# Altium PCB PCBV2.PcbDoc (part 2 of 2) (continued)
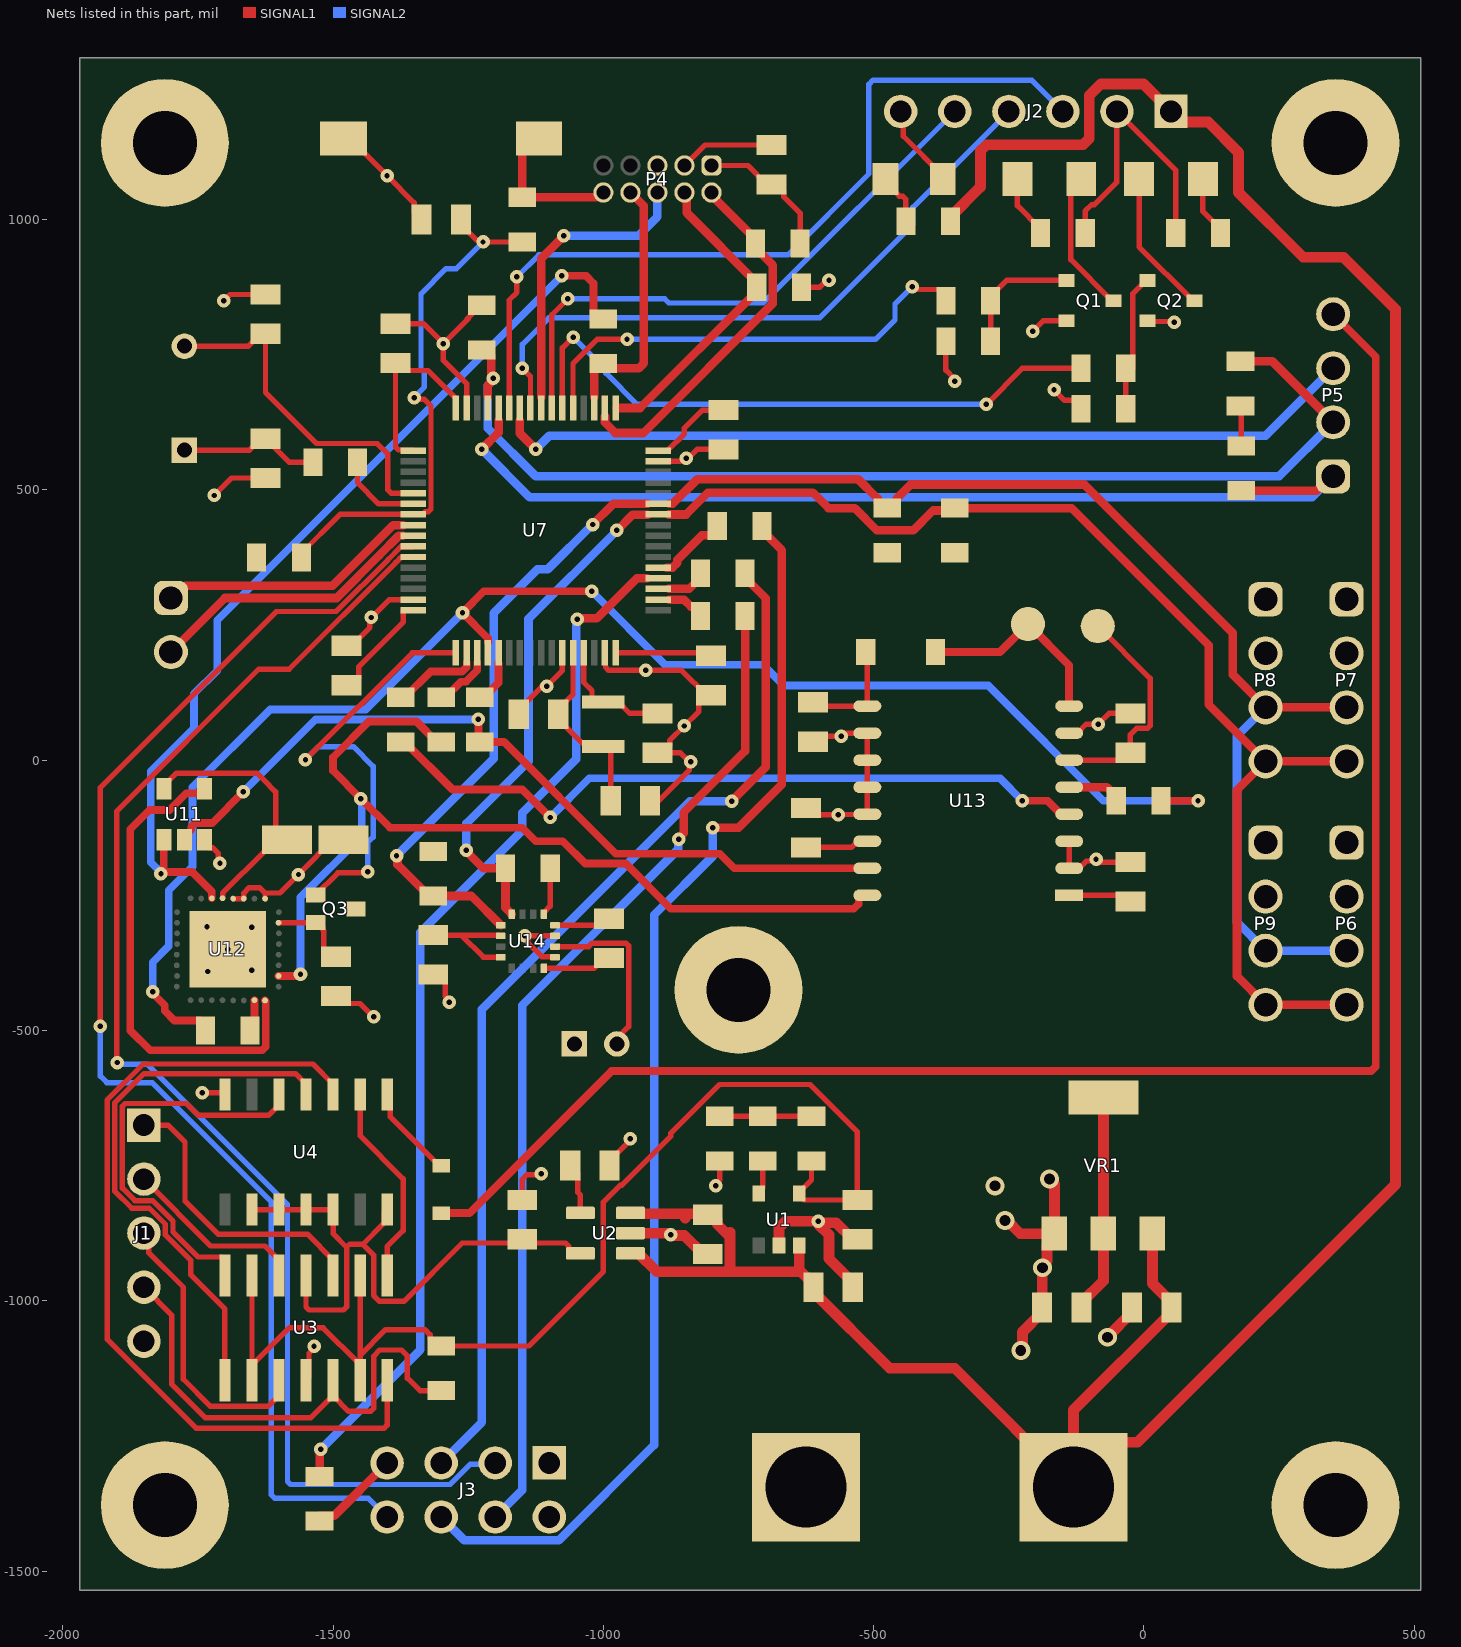
[diagram p2: the nets of this part, all layers, seen from the top]
## Nets (pads, with @x,y where several pads share a name; then routed paths per layer and width w, separated by ;. In a path a pad name is that pad's centre, name@x,y a point inside that pad or via, vN(x,y) a via of type N, cw(c..) or ccw(c..) an arc to the next point about the centre after c; other vN are vias at no path point)
+3V3: C7.1 C8.1 C9.1 C10.1 C11.1 C12.1 C13.1 C15.1 C20.1 C23.2 C24.2 J2.2 J3.2 L1.1 L2.1 P4.1 P6.1 P7.1 P8.1 P9.1 Q3.3 R6.2 R7.2 R12.2 R14.1 R15.1 R22.2 R29.1 R30.1 R31.1 R32.1 U7.1 U7.16 U7.28 U7.32 U7.48 U7.64 U11.5 U12.5 U13.6 U14.2 U14.4 U14.13 VR1.2 VR1.4 | length 3722.4
  SIGNAL1 w10: U11.5@-1812.4,-52.76 -1812.4,-46.85 -1789.62,-24.07 -1687.43,-24.07 -1687.29,-24.2 -1640.71,-24.2 -1628.69,-36.22 -1606.27,-58.64 -1606.27,-155.39 -1599.82,-161.85 -1606.63,-168.66 -1627.26,-168.66 -1704.41,-245.81 -1704.41,-255.39 U12.5@-1704.53,-255.51 ; C8.1@-1475,138.58 -1466.14,138.58 -1452.44,152.28 -1452.44,173.04 -1369.88,255.6 -1369.88,276.36 -1368.88,277.36 U7.16@-1351.38,277.36 ; U7.1@-1351.38,572.64 -1352.38,573.64 -1378.67,573.64 -1384.52,579.5 C10.1@-1384.52,734.45 -1375.67,734.45 -1361.96,720.75 -1324.51,720.75 -1272.64,668.88 U7.64@-1272.64,651.38 ; C23.2@-1314.69,-323.58 -1262.95,-323.58 ; U14.4@-1189.88,-364.53 -1222.01,-364.53 -1262.95,-323.58 ; U14.2@-1189.88,-325.16 -1192.83,-325.16 -1194.41,-323.58 -1262.95,-323.58 ; U14.13@-1110.16,-284.8 -1110.16,-281.85 -1098.35,-270.04 R29.1@-1098.35,-199.69 ; U7.28@-1056.1,198.62 -1056.1,121.34 -1083.58,93.86 C12.1@-1083.58,85 -1083.58,76.14 -1039.25,31.81 -1006.81,31.81 L1.1@-1000,25 -993.23,25 -986.42,18.19 C13.1@-986.42,-75 ; U7.32@-977.36,181.12 U7.32@-977.36,198.62 -806.35,198.62 C11.1@-800.78,193.06 ; U7.48@-898.62,572.64 -881.12,572.64 -850.11,603.65 -850.11,614.22 -816.72,647.6 C9.1@-777.54,647.6 ; P4.1@-800,1100 -732.79,1100 -697.87,1065.09 C15.1@-689.02,1065.09 -680.16,1065.09 -666.46,1051.39 -666.46,1042.53 -636.08,1012.15 R12.2@-636.08,955.75 ; U13.6@-138.37,0 -38.58,0 C24.2@-25,13.58 -25,47.28 -13.57,58.72 6.29,58.72 11.56,63.99 11.56,151.19 L2.1@-85.41,248.15 ; R7.2@-108.66,975 -108.66,982.87 -108.66,1015.59 -96.57,1027.68 -91.48,1027.68 -50,1069.16 J2.2@-50,1200 58.66,1091.34 R6.2@58.66,975 ; R15.1@178.5,655.08 180,653.59 R14.1@180,581.34
  SIGNAL1 w20: C7.1@-115.61,-1012.36 -115.61,-1003.5 -75,-962.9 VR1.2@-75,-889.96 ; VR1.2@-75,-875.98 VR1.4@-75,-624.02
+3V3_A: C14.1 L1.2 U7.29 | length 223.1
  SIGNAL1 w10: U7.29@-1036.42,198.62 -1036.42,144.09 -1020.95,128.63 -1020.95,114.49 -1014.14,107.68 L1.2@-1000,107.68 -972.44,107.68 -951.18,86.42 C14.1@-900,86.42
+3V3_REF: C1.1 R2.2 R4.2 U1.4 U3.2 U3.6 U3.9 U3.13 | length 2218.5
  SIGNAL1 w10: U3.9@-1650,-1147 U3.9@-1650,-1118.5 ; U3.6@-1650,-953 U3.9@-1650,-1118.5 ; U3.13@-1453.39,-1115.11 -1518.5,-1050 -1581.5,-1050 U3.9@-1650,-1118.5 ; U3.13@-1450,-1147 -1450,-1128.5 -1450,-1118.5 -1450,-1111.72 -1450,-1100.85 ; U3.2@-1450,-953 -1450,-1100.85 ; U1.4@-637.6,-804.72 -628.74,-813.58 C1.1@-530,-813.58 -530,-687.63 -617.63,-600 -785.15,-600 -875.65,-690.5 -875.65,-696.06 -966.15,-786.56 -968.93,-786.56 -1000,-817.63 -1000,-945.67 -1137.99,-1083.66 -1307.87,-1083.66 -1320.59,-1070.95 -1320.59,-1063.07 -1330.08,-1053.59 -1402.73,-1053.59 -1450,-1100.85 ; U1.4@-637.6,-801.77 -637.6,-798.82 -615,-776.22 R2.2@-615,-741.34
+5: C5.1 U2.5 U3.4 U4.9 U4.10 U4.11 U4.12 U4.14 | length 1140.1
  SIGNAL1 w10: U4.9@-1650,-831.5 U4.10@-1600,-831.5 U4.11@-1550,-831.5 U4.12@-1500,-831.5 -1500,-876.02 -1475,-901.02 ; U3.4@-1550,-953 -1550,-1011.27 -1544.14,-1017.13 -1480.86,-1017.13 -1475,-1011.27 -1475,-901.02 ; -1445.09,-895.68 -1405.5,-856.1 -1405.5,-837 U4.14@-1400,-831.5 ; U2.5@-1042.52,-912.4 -1057.68,-912.4 -1064.29,-905.79 -1064.29,-899.01 -1070.15,-893.15 -1261.04,-893.15 -1368.89,-1001 -1414.23,-1001 -1425,-990.23 -1425,-915.77 -1445.61,-895.16 -1450.55,-895.16 -1469.14,-895.16 -1475,-901.02
+12: C2.1 C3.1 C6.1 J2.1 P1.1 R5.2 U1.3 U2.1 U2.3 VR1.3 | length 5592.7
  SIGNAL1 w20: U2.3@-950,-837.6 -948.42,-839.18 -848.38,-839.18 ; U2.1@-948.75,-911.16 U2.1@-950,-912.4 -934.84,-912.4 -900.95,-946.3 -773.69,-946.3 ; -848.38,-847.41 -848.38,-839.18 ; -769.92,-877.89 -789.49,-858.32 -789.49,-849.46 -798.19,-840.76 C2.1@-807.05,-840.76 -808.63,-839.18 -848.38,-839.18 ; -765.49,-873.46 -765.49,-938.1 -773.69,-946.3 ; -637.6,-946.3 U1.3@-637.6,-898.23 ; R5.2@-357.7,997.09 -357.7,1004.96 -302.66,1060 -302.66,1126.7 -290.95,1138.42 -112.96,1138.42 -101.24,1150.13 -101.24,1229.51 -79.76,1251 -1,1251 J2.1@50,1200 ; VR1.3@15.55,-889.96 VR1.3@15.55,-882.09 ; VR1.3@15.55,-875.98 15.55,-968.17 50.88,-1003.5 C6.1@50.88,-1012.36 50.88,-1021.22 -130.12,-1202.22 P1.1@-130.12,-1344.88 ; J2.1@50,1199.92 69.54,1180.38 118.83,1180.38 175,1124.21 175,1050 294.7,930.3 368.92,930.3 465.29,833.92 465.29,-784.71 -11.83,-1261.83 -47.07,-1261.83 P1.1@-130.12,-1344.88 ; -773.69,-946.3 -765.49,-946.3 -645.8,-946.3 -634.29,-946.3 -623.15,-957.44 -620.12,-957.44 -611.42,-966.14 -611.42,-983.86 -470.28,-1125 -350,-1125 P1.1@-130.12,-1344.88
CE_RF: J3.3 U7.11 | length 2548
  SIGNAL1 w10: v1(-1899.18,-559.34) -1900,-558.52 -1900,-94.16 -1637.71,168.13 -1581.35,168.13 -1383.88,365.6 -1383.88,365.83 -1376.31,373.4 -1376.08,373.4 -1374.69,374.79 -1352.38,374.79 U7.11@-1351.38,375.79
  SIGNAL2 w10: v1(-1899.18,-559.34) -1896.31,-562.21 -1844.04,-562.21 -1584.38,-821.87 -1584.38,-1334.05 -1578.52,-1339.91 -1283.47,-1339.91 -1245.91,-1302.34 -1202.34,-1302.34 J3.3@-1200,-1300
CELL_1: J1.1 U3.3 | length 545.8
  SIGNAL1 w10: J1.1@-1850,-675 -1805.31,-675 -1773.85,-706.47 -1773.85,-815.61 -1712.54,-876.92 -1547.58,-876.92 -1500,-924.5 U3.3@-1500,-953
CELL_2: J1.2 U3.5 | length 340.4
  SIGNAL1 w10: J1.2@-1850,-775 -1726.35,-898.66 -1625.85,-898.66 -1600,-924.5 U3.5@-1600,-953
CELL_3: J1.3 U3.10 | length 534.7
  SIGNAL1 w10: J1.3@-1850,-875 -1841.02,-883.98 -1841.02,-910.94 -1777.16,-974.8 -1777.16,-1145.13 -1727.29,-1195 -1619.5,-1195 -1600,-1175.5 U3.10@-1600,-1147
CELL_4: J1.4 R4.1 U3.12 | length 941
  SIGNAL1 w10: J1.4@-1850,-975 -1798.07,-1026.93 -1798.07,-1154.87 -1736.56,-1216.38 -1540.88,-1216.38 U3.12@-1500,-1175.5 ; U3.12@-1500,-1147 U3.12@-1500,-1175.5 ; R4.1@-1300,-1166.34 -1339.27,-1166.34 -1362.52,-1143.09 -1362.52,-1102.04 -1373.42,-1091.15 -1413.73,-1091.15 -1424.72,-1102.14 -1424.72,-1198.58 -1430.58,-1204.44 -1471.06,-1204.44 U3.12@-1500,-1175.5
GND: C1.2 C2.2 C3.2 C4.2 C5.2 C6.2 C7.2 C8.2 C9.2 C10.2 C11.2 C12.2 C13.2 C14.2 C15.2 C16.1 C17.1 C18.2 C19.1 C20.2 C21.1 C22.1 C23.1 C24.1 C26.1 C27.1 DS1.2 J1.5 J2.6 J3.1 P2.1 P4.3 P4.5 P6.2 P7.2 P8.2 P9.2 pad.1 Q1.2 Q2.2 R3.2 R10.1 R11.1 R13.1 R21.2 SW1.1 U1.2 U2.2 U3.11 U4.7 U7.15 U7.27 U7.31 U7.47 U7.63 U11.3 U12.1 U12.3 U12.4 U12.33 U13.2 U13.3 U13.7 U13.10 U13.11 U13.12 U13.13 U14.9 U14.11 VR1.1 | length 5068.7
  SIGNAL1 w10: v1(-1741.85,-615.46) -1703.04,-615.46 U4.7@-1700,-618.5 ; U11.3@-1737.6,-147.24 -1737.6,-153.15 -1728.82,-161.93 -1722.91,-161.93 -1712.1,-172.75 -1712.1,-187.82 v1(-1709.23,-190.69) ; v1(-1719.88,489.57) -1687.61,521.85 C17.1@-1625,521.85 ; v1(-1702.17,849.81) -1690.55,861.42 C16.1@-1625,861.42 ; U12.4@-1684.84,-256.1 U12.3@-1665.16,-256.1 -1665.04,-255.98 -1665.04,-245.81 -1655.11,-235.88 -1635.84,-235.88 -1625.91,-245.81 ; U12.1@-1625.79,-256.1 -1625.91,-255.98 -1625.91,-245.81 ; U3.11@-1550,-1147 -1544.5,-1141.5 -1544.5,-1097.13 -1535.24,-1087.87 v1(-1535.24,-1083.81) ; C19.1@-1494.69,-436.42 -1480.99,-450.12 -1449.88,-450.12 v1(-1425,-475) ; SW1.1@-1480.91,1150 -1469.09,1150 v1(-1400.2,1081.1) -1350.12,1031.02 -1350.12,1013.7 C18.2@-1336.42,1000 ; C20.2@-1480.72,-147.09 -1500.41,-147.09 -1529.79,-176.47 -1529.79,-177.39 v1(-1564,-211.6) -1598.22,-245.81 -1625.91,-245.81 ; C8.2@-1475,211.42 -1466.14,211.42 -1431.97,245.59 -1431.97,261.07 v1(-1429.1,263.94) -1396,297.05 U7.15@-1351.38,297.05 ; C10.2@-1384.52,807.29 -1332.92,807.29 v1(-1296.09,770.45) ; C23.1@-1314.69,-396.42 -1305.83,-396.42 -1292.13,-410.12 -1292.13,-437.03 -1285.29,-443.87 v1(-1285.29,-447.93) ; U7.63@-1252.95,651.38 -1252.95,696.57 -1296.09,739.7 v1(-1296.09,770.45) ; R21.2@-1225,843.31 -1251.97,816.34 -1250.2,816.34 v1(-1296.09,770.45) ; C12.2@-1156.42,85 -1156.42,93.86 -1113.68,136.6 v1(-1104.82,136.6) -1075.79,165.63 U7.27@-1075.79,198.62 ; C5.2@-1150,-813.58 -1150,-775 -1142.04,-767.04 -1116.63,-767.04 v1(-1114.54,-764.95) ; U14.9@-1089.65,-364.53 -1092.44,-364.53 -1093.35,-363.62 -1113.81,-363.62 -1139.55,-337.88 -1139.55,-334.32 -1145.73,-328.14 -1145.73,-325.16 U14.11@-1089.49,-325.16 ; U7.31@-997.05,198.62 -996.05,197.62 -996.05,171.98 -990.19,166.12 v1(-921.32,166.12) -855.54,166.12 C11.2@-809.64,120.22 ; C4.2@-988.58,-750 -988.58,-741.14 -950,-702.56 v1(-950,-700) ; C13.2@-913.58,-91.14 -841.25,-18.81 -841.25,-5.95 v1(-838.38,-3.08) -840.78,-3.08 -857.44,13.58 C14.2@-891.14,13.58 ; C14.2@-900,13.58 C14.2@-891.14,13.58 ; U7.47@-898.62,552.95 -856.58,552.95 -851.01,558.52 v1(-846.95,558.52) -842.89,558.52 -826.65,574.77 C9.2@-777.54,574.77 ; P4.3@-850,1100 -812.08,1137.92 C15.2@-689.02,1137.92 ; C11.2@-800.78,120.22 C11.2@-809.64,120.22 ; v1(-792.3,-787.65) -792.3,-783.59 -785,-776.29 R3.2@-785,-741.34 ; R13.1@-633.66,875 -599.57,875 -586.68,887.89 v1(-582.62,887.89) ; C21.1@-625,-88.58 -612.51,-101.07 v1(-565.69,-101.07) -565.15,-100.54 -512.17,-100.54 U13.13@-511.63,-100 U13.12@-511.63,-50 U13.11@-511.63,0 U13.10@-511.63,50 -550.09,50 -556.07,44.02 -619.56,44.02 C26.1@-625,38.58 ; J2.6@-450,1200 -445.04,1195.04 -445.04,1154.09 -371.85,1080.91 DS1.2@-371.85,1075 ; R10.1@-366.34,775 -366.34,721.28 -350,704.94 v1(-350,700.88) ; v1(-205.96,793.13) -186.5,812.6 Q1.2@-143.31,812.6 ; v1(-166.39,684.9) -146.94,665.45 -129.06,665.45 -116.34,652.74 R11.1@-116.34,650 ; U13.3@-138.37,-150 U13.2@-138.37,-200 -120.19,-200 -106.69,-186.5 -91.53,-186.5 v1(-88.66,-183.63) -84.6,-183.63 -79.64,-188.58 C22.1@-25,-188.58 ; U13.7@-138.37,50 -123.26,50 -106.77,66.49 v1(-84.65,66.49) -64.72,86.42 C24.1@-25,86.42 ; Q2.2@6.69,812.6 7.9,811.39 54.83,811.39 v1(56.04,810.18) ; C14.2@-891.14,13.58 -877.44,27.28 -877.44,36.14 v1(-850.39,63.19) -823.34,90.24 -823.34,106.52 C11.2@-809.64,120.22
  SIGNAL1 w20: U2.2@-950,-875 -879.87,-875 -876.58,-878.28 v1(-875.23,-878.28) -874.27,-879.24 -850.26,-879.24 -815.9,-913.6 C2.2@-807.05,-913.6 ; U1.2@-675,-898.23 -675,-864.69 -663.28,-852.98 -604.12,-852.98 v1@-601.81,-855.29 ; v1@-601.81,-858.77 -582.6,-877.99 -582.6,-922.13 -538.58,-966.14 C3.2@-538.58,-975 ; v1@-601.42,-852.98 -598.55,-855.84 -569.44,-855.84 -538.86,-886.42 C1.2@-530,-886.42 ; v2(-257.23,-851.74) -253.17,-851.74 -228.92,-875.98 VR1.1@-165.55,-875.98 ; v2(-227.82,-1092.11) -224.95,-1089.24 -224.95,-1057.72 -188.44,-1021.22 C7.2@-188.44,-1012.36 -188.07,-1011.99 -188.07,-939.39 v2(-187.7,-939.02) -187.7,-934.96 -179.17,-926.44 -179.17,-897.48 -165.55,-883.86 VR1.1@-165.55,-875.98 ; v2(-175,-775) -165.55,-784.45 VR1.1@-165.55,-875.98 ; v2(-67.61,-1067.52) -67.61,-1066.88 -21.95,-1021.22 C6.2@-21.95,-1012.36
  other v1: -602.77,-852.98 -1731.76,-390.94 -1650.5,-388.35 -1694.69,-350 -1145.19,-324.62 -1650.13,-308.93 -1733.24,-308.2 -560.12,44.02
  other v2: -275.59,-787.4
I2C_HREQ: P5.3 U7.58 | length 1620.2
  SIGNAL1 w15.88: U7.58@-1154.53,628.52 -1154.53,604.53 v1(-1125,575)
  SIGNAL2 w15.88: v1(-1125,575) -1100,600 225,600 P5.3@362.26,737.26
I2C_SCL: P5.2 R15.2 R21.1 U7.61 | length 2071.7
  SIGNAL1 w15.88: R21.1@-1225,758.66 -1217.13,758.66 -1207.35,748.88 -1207.35,712.44 -1203.51,708.6 v1(-1203.51,706.13) -1203.51,703.66 -1213.58,693.59 U7.61@-1213.58,672.61 ; R15.2@178.5,737.76 237.24,737.76 P5.2@350,625 P5.2@358.01,616.99
  SIGNAL2 w15.88: v1(-1203.51,706.13) -1203.51,703.66 -1213.58,693.59 -1213.58,613.58 -1125,525 250,525 P5.2@350,625
I2C_SCL_MAG: P6.3 P7.3 P8.3 P9.3 R30.2 R32.2 U7.43 U14.1 | length 3327.7
  SIGNAL1 w15.88: v1(-1382.6,-176.73) -1380.86,-178.48 -1380.86,-193.04 -1322.56,-251.34 R30.2@-1314.69,-251.34 -1244.02,-251.34 U14.1@-1189.88,-305.47 ; v1(-1019.93,435.87) -981.4,474.41 U7.43@-917.81,474.41 ; U7.43@-878.1,474.21 -871.92,474.21 -826.35,519.79 -528.45,519.79 -492.65,483.99 -492.65,476.12 -482.87,466.34 R32.2@-475,466.34 -467.13,466.34 -457.35,476.12 -457.35,483.99 -431.44,509.9 -110.56,509.9 164.17,235.17 164.17,158.43 P8.3@225,97.6 P7.3@375,97.6
  SIGNAL2 w15.88: v1(-1382.6,-176.73) -1202.93,2.94 -1202.93,272.07 -1121.9,353.1 -1102.7,353.1 v1(-1019.93,435.87) ; P8.3@225,97.6 172.05,44.65 172.05,-299.45 P9.3@225,-352.4 P6.3@375,-352.4
I2C_SDA: P5.1 R14.2 U7.60 | length 1875.2
  SIGNAL1 w15.88: v1(-1225,575) -1193.9,606.1 U7.60@-1193.9,628.42 ; R14.2@180,498.66 319.44,498.66 345.77,525 P5.1@350,525
  SIGNAL2 w15.88: v1(-1225,575) -1136.02,486.02 311.02,486.02 P5.1@350,525
I2C_SDA_MAG: P6.4 P7.4 P8.4 P9.4 R29.2 R31.2 U7.42 U14.16 | length 3173.6
  SIGNAL1 w15.88: v1(-1253.28,-166.93) -1253.28,-168.96 -1222.56,-199.69 R29.2@-1181.02,-199.69 -1181.02,-272.99 -1171.25,-282.77 -1171.25,-283.88 -1170.33,-284.8 U14.16@-1169.21,-284.8 ; v1(-975,425) -945.79,454.21 U7.42@-917.6,454.21 ; U7.42@-878.97,454.33 -847.2,454.33 -806.59,494.94 -612.36,494.94 -583.75,466.34 -535.19,466.34 -493.85,425 -426.92,425 -390.11,461.81 -354.53,461.81 R31.2@-350,466.34 -134,466.34 119.51,212.83 119.51,103.09 P8.4@225,-2.4 ; P6.4@375,-452.4 P9.4@225,-452.4 172.05,-399.45 172.05,-55.35 P8.4@225,-2.4 ; P7.4@375,-2.4 P8.4@225,-2.4
  SIGNAL2 w15.88: v1(-1253.28,-166.93) -1253.28,-117.12 -1138.5,-2.33 -1138.5,261.5 v1(-975,425)
IRQ_RF: J3.8 U7.10 | length 2483.4
  SIGNAL1 w10: v1(-1930.41,-491.86) -1930.41,-50.57 -1604.84,275 -1494.28,275 -1397.88,371.4 -1397.88,371.63 -1375.03,394.47 -1353.08,394.47 U7.10@-1351.73,395.82
  SIGNAL2 w10: v1(-1930.41,-491.86) -1930.41,-584.59 -1918.54,-596.46 -1834.7,-596.46 -1614.04,-817.12 -1614.04,-1359.11 -1608.18,-1364.97 -1435.03,-1364.97 J3.8@-1400,-1400
MISO_1: R20.1 U7.36 | length 1941.4
  SIGNAL1 w15.88: R20.1@-1525,-1325 v1@-1525,-1275 ; v1(-1048.05,260.39) -1046.3,262.14 -1012.08,262.14 -937.8,336.42 U7.36@-919.06,336.42
  SIGNAL2 w15.88: v1(-1522.6,-1275) -1338.58,-1090.98 -1338.58,-318.61 -1149.97,-130 -1149.97,-97.66 -1050.45,1.86 v1@-1050.45,260.39
MISO_1_R: J3.7 R20.2 | length 182
  SIGNAL1 w15.88: R20.2@-1536.58,-1409.65 -1524.83,-1397.9 -1497.9,-1397.9 J3.7@-1400,-1300
MISO_2: R27.2 R28.2 U7.20 | length 2861.2
  SIGNAL1 w14.28: v1(-1833.75,-428.51) -1833.75,-431.41 -1811.5,-453.66 -1811.5,-463.5 -1793.45,-481.55 -1746.6,-481.55 -1736.02,-492.13 R27.2@-1736.02,-500 ; U7.20@-1213.58,218.35 -1213.58,225.6 v1(-1260.59,272.61) -1221.02,312.18 v1(-1021.78,312.18) ; R28.2@31.27,-75 v1(100,-75)
  SIGNAL2 w14.28: v1(-1833.75,-428.51) -1833.75,-373.86 -1803.74,-343.85 -1803.74,-240.95 -1760.19,-197.39 -1760.19,-50.34 -1616.24,93.61 -1439.59,93.61 v1(-1260.59,272.61) ; v1(-1021.78,312.18) -885.93,176.33 -704.67,176.33 -666.34,137.99 -287.99,137.99 -75,-75 v1(100,-75)
MISO_2_R1: R28.1 U13.5 | length 101.9
  SIGNAL1 w15.88: U13.5@-138.37,-50 -68.53,-50 -51.4,-67.13 R28.1@-51.4,-75
MISO_2_R2: R27.1 U12.23 | length 59.4
  SIGNAL1 w14.28: R27.1@-1653.35,-500 -1645.47,-492.13 U12.23@-1645.47,-443.9
MOSI_1: J3.6 R26.2 | length 2324.4
  SIGNAL1 w15.88: v1(-797.6,-125) -750,-125 -670,-45 -670,388.5 -704.72,423.23 R26.2@-704.72,433.07
  SIGNAL2 w15.88: J3.6@-1300,-1400 -1257.16,-1442.84 -1082.25,-1442.84 -906.23,-1266.82 -906.23,-286.35 -797.6,-177.72 v1(-797.6,-125)
MOSI_1_R: R26.1 U7.37 | length 132.9
  SIGNAL1 w15.88: U7.37@-882.95,356.1 -871.92,356.1 -863.18,364.84 -863.18,370.28 -817.5,415.97 -799.15,415.97 -789.37,425.74 R26.1@-789.37,433.07
MOSI_2: R18.1 U11.2 U13.15 | length 1499.4
  SIGNAL1 w14.28: U11.2@-1775,-147.24 -1775,-141.34 -1762.52,-128.86 -1762.52,-122.94 -1755.99,-116.42 -1723.66,-116.42 v1(-1665.96,-58.72) ; v1(-1231.14,75.33) -1231.14,36.3 R18.1@-1228.5,33.66 -1183.66,33.66 -977.02,-172.98 -784.83,-172.98 -757.81,-200 U13.15@-511.63,-200
  SIGNAL2 w14.28: v1(-1665.96,-58.72) -1531.91,75.33 v1(-1231.14,75.33)
MOSI_2_R: R18.2 U7.21 | length 81.8
  SIGNAL1 w14.28: R18.2@-1228.5,116.34 -1220.63,116.34 -1193.9,143.07 U7.21@-1193.9,179.19
NetC4_1: C4.1 U2.4 | length 95.4
  SIGNAL1 w10: C4.1@-1061.42,-750 -1047.72,-763.7 -1047.72,-799.17 -1042.52,-804.37 U2.4@-1042.52,-837.6
NetC16_2: C16.2 U7.5 Y1.2 | length 657.4
  SIGNAL1 w10: Y1.2@-1775,765.75 -1656.69,765.75 -1633.86,788.58 C16.2@-1625,788.58 -1625,680.12 -1530.65,585.77 -1418.4,585.77 -1398.52,565.89 -1398.52,499.76 -1392.67,493.9 U7.5@-1351.38,493.9
NetC17_2: C17.2 R33.1 Y1.1 | length 264.3
  SIGNAL1 w10: Y1.1@-1775,573.62 -1654.92,573.62 -1633.86,594.68 C17.2@-1625,594.68 -1581.5,551.18 R33.1@-1537.4,551.18
NetC18_1: C18.1 R22.1 R25.1 U7.7 | length 985.6
  SIGNAL1 w10: R22.1@-1561.62,379.92 -1487.01,454.53 U7.7@-1351.38,454.53 -1350.38,455.53 -1332.88,455.53 -1329.19,459.21 -1324.15,459.21 -1318.88,464.48 -1318.88,655.14 -1331.11,667.38 -1346.87,667.38 v1(-1349.74,670.25) ; C18.1@-1260.63,988.19 -1233.83,961.39 -1225.49,961.39 v1(-1222.62,958.52) -1150.14,958.52 R25.1@-1150,958.66
  SIGNAL2 w10: v1(-1349.74,670.25) -1349.74,672.06 -1331.2,690.6 -1331.2,717.45 -1337.31,723.56 -1337.31,862.69 -1290.76,909.24 -1271.9,909.24 v1(-1222.62,958.52)
NetC19_2: C19.2 Q3.2 U12.31 | length 154.8
  SIGNAL1 w10: U12.31@-1600.79,-300.79 -1600.69,-300.69 -1532.19,-300.69 Q3.2@-1532.09,-300.59 -1528.15,-300.59 -1519.37,-309.37 -1519.37,-313.31 -1517.25,-315.43 -1517.25,-349.88 -1503.54,-363.58 C19.2@-1494.69,-363.58
NetC21_2: C21.2 U13.14 | length 118.1
  SIGNAL1 w10: C21.2@-625,-161.42 -541.23,-161.42 -529.81,-150 U13.14@-511.63,-150
NetC22_2: C22.2 U13.1 | length 118.1
  SIGNAL1 w10: U13.1@-138.37,-250 -36.42,-250 C22.2@-25,-261.42
NetC25_1: C25.1 U14.12 | length 104.9
  SIGNAL1 w10: U14.12@-1089.49,-305.47 -1001.89,-305.47 C25.1@-989.69,-293.27
NetC25_2: C25.2 U14.8 | length 128.4
  SIGNAL1 w10: U14.8@-1110.16,-385.2 -1017.64,-385.2 -998.54,-366.1 C25.2@-989.69,-366.1
NetC26_2: C26.2 D4.1 U13.9 | length 219.2
  SIGNAL1 w10: C26.2@-625,111.42 -613.58,100 U13.9@-511.63,100 -511.63,197.26 D4.1@-514.37,200
NetC27_2: C27.2 U14.10 | length 331.6
  SIGNAL1 w10: U14.10@-1089.49,-344.84 -1027.41,-344.84 -1020.97,-338.4 -958.4,-338.4 -953.13,-343.67 -953.13,-493.05 -975,-514.92 C27.2@-975,-525
NetD1_1: D1.1 P5.4 | length 3265.5
  SIGNAL1 w14.28: D1.1@-1300,-837.8 -1247.64,-837.8 -984.85,-575 420.49,-575 428.86,-566.63 428.86,746.14 P5.4@350,825
NetD1_2: D1.2 U4.1 | length 175.2
  SIGNAL1 w10: U4.1@-1400,-618.5 -1394.5,-624 -1394.5,-659.44 -1303.94,-750 D1.2@-1300,-750
NetD2_1: D2.1 Q1.3 | length 267.4
  SIGNAL1 w10: D2.1@-115.94,1075 -135.38,1055.57 -135.38,925.73 -59.64,850 Q1.3@-56.69,850
NetD2_2: D2.2 R7.1 | length 117.7
  SIGNAL1 w10: D2.2@-234.05,1075 -234.05,1025.59 -191.34,982.87 R7.1@-191.34,975
NetD3_1: D3.1 Q2.3 | length 269.1
  SIGNAL1 w10: D3.1@-9.05,1075 -9.05,949.41 90.36,850 Q2.3@93.31,850
NetD3_2: D3.2 R6.1 | length 113.4
  SIGNAL1 w10: D3.2@109.06,1075 109.06,1015.16 141.34,982.87 R6.1@141.34,975
NetD4_2: D4.2 L2.2 U13.8 | length 375.9
  SIGNAL1 w15: D4.2@-385.63,200 -266.44,200 L2.2@-214.59,251.85 -138.37,175.62 U13.8@-138.37,100
NetDS1_1: DS1.1 R5.1 | length 97
  SIGNAL1 w10: DS1.1@-478.15,1075 -478.15,1069.09 -452.46,1043.4 -446.55,1043.4 -440.38,1037.23 R5.1@-440.38,997.09
NetQ1_1: Q1.1 R8.2 R10.2 | length 235.5
  SIGNAL1 w10: R10.2@-283.66,775 R8.2@-283.66,850 -283.66,857.87 -254.13,887.4 Q1.1@-143.31,887.4
NetQ2_1: Q2.1 R9.2 R11.2 | length 250.6
  SIGNAL1 w10: R11.2@-33.66,650 R9.2@-33.66,725 ; R9.2@-20.95,725 -20.95,862.72 3.74,887.4 Q2.1@6.69,887.4
NetQ3_1: Q3.1 U7.17 | length 823.5
  SIGNAL1 w10: v1(-1551.07,0.99) -1353.44,198.62 U7.17@-1272.64,198.62 ; Q3.1@-1532.09,-249.41 -1491.31,-208.63 -1438.09,-208.63 v1(-1436.11,-206.65)
  SIGNAL2 w10: v1(-1551.07,0.99) -1527.06,25 -1462.48,25 -1425.98,-11.5 -1425.98,-142.4 -1436.11,-152.54 v1(-1436.11,-206.65)
NetR1_1: R1.1 R2.1 R3.1 | length 170
  SIGNAL1 w10: R3.1@-785,-658.66 R2.1@-615,-658.66
NetR1_2: R1.2 U1.5 | length 63.5
  SIGNAL1 w10: U1.5@-712.4,-801.77 -712.4,-798.82 -705,-791.42 R1.2@-705,-741.34
NetR33_2: R33.2 U7.6 | length 157.4
  SIGNAL1 w10: R33.2@-1454.72,551.18 -1454.72,513.39 -1415.55,474.21 U7.6@-1351.38,474.21
NetU3_1: U3.1 U4.2 | length 379.8
  SIGNAL1 w10: U4.2@-1450,-618.5 -1450,-694.74 -1370.34,-774.41 -1370.34,-870.24 -1400,-899.9 U3.1@-1400,-953
NetU3_7: U3.7 U4.5 | length 764.5
  SIGNAL1 w10: U3.7@-1700,-953 -1700,-924.5 -1705.5,-919 -1749.57,-919 -1796.09,-872.47 -1796.09,-852.67 -1833.86,-814.91 -1866.53,-814.91 -1889.91,-791.53 -1889.91,-640.37 -1884.63,-635.09 -1771.16,-635.09 -1749.25,-657 -1619.5,-657 -1600,-637.5 U4.5@-1600,-618.5
NetU3_8: U3.8 U4.4 | length 1019.6
  SIGNAL1 w10: U3.8@-1700,-1147 -1700,-1015.23 -1763.16,-952.07 -1763.16,-925.21 -1810.09,-878.27 -1810.09,-858.47 -1839.66,-828.91 -1872.33,-828.91 -1903.91,-797.33 -1903.91,-634.57 -1849.34,-580 -1569.5,-580 -1550,-599.5 U4.4@-1550,-618.5
NetU3_14: U3.14 U4.3 | length 1594
  SIGNAL1 w10: U4.3@-1500,-618.5 -1500,-599.5 -1537.52,-561.98 -1851.12,-561.98 -1917.91,-628.77 -1917.91,-1071.04 -1753.03,-1235.91 -1405.86,-1235.91 -1400,-1230.05 U3.14@-1400,-1147
NetU11_4: U11.4 U12.24 | length 915.4
  SIGNAL1 w14.28: U11.4@-1737.6,-52.76 -1737.6,-49.78 -1744.24,-43.14 -1744.24,-61.12 -1771.54,-61.12 -1802.46,-92.03 -1838.88,-92.03 -1875,-128.15 -1875,-500 -1838.27,-536.73 -1631.02,-536.73 -1624.49,-530.21 -1624.49,-445.79 U12.24@-1625.79,-444.49
PIN_COM_IND: R9.1 U7.54 | length 1161.6
  SIGNAL1 w10: U7.54@-1075.79,651.38 -1075.79,762.58 v1(-1055.88,782.49) ; v1(-291.66,658.26) -224.92,725 R9.1@-116.34,725
  SIGNAL2 w10: v1(-1055.88,782.49) -995.44,722.05 -995.44,715.83 -937.86,658.26 v1(-291.66,658.26)
PIN_SUP_IND: R8.1 U7.53 | length 863.6
  SIGNAL1 w10: U7.53@-1056.1,651.38 -1056.1,733.59 -1011.37,778.32 v1(-956.25,778.32) ; v1(-428.53,875.95) -424.47,875.95 -419.11,870.59 -379.05,870.59 -366.34,857.87 R8.1@-366.34,850
  SIGNAL2 w10: v1(-956.25,778.32) -496.68,778.32 -460.53,814.47 -460.53,843.94 v1(-428.53,875.95)
RESET_PIN: P4.10 R25.2 SW1.2 | length 279.4
  SIGNAL1 w15.88: SW1.2@-1119.09,1150 -1126.44,1150 -1150,1126.44 R25.2@-1150,1041.34 -1014.49,1041.34 -1005.82,1050 P4.10@-1000,1050
SCLK_1: J3.5 R24.1 | length 1954.9
  SIGNAL1 w15.88: v1(-762.81,-76.11) -699.87,-13.17 -699.87,299.68 -737.79,337.6 R24.1@-737.79,345.48
  SIGNAL2 w15.88: J3.5@-1300,-1300 -1225,-1225 -1225,-461.3 -839.81,-76.11 v1(-762.81,-76.11)
SCLK_1_R: R24.2 U7.35 | length 74.6
  SIGNAL1 w15.88: U7.35@-878.59,316.73 -841.34,316.73 -820.47,337.6 R24.2@-820.47,345.48
SCLK_2: R17.1 U12.26 U13.16 | length 1794.1
  SIGNAL1 w14.28: U12.26@-1600.79,-399.21 -1563.71,-399.21 v1(-1560.26,-395.76) ; R17.1@-1300,33.66 -1307.87,33.66 -1345.7,71.49 -1434.04,71.49 -1500,5.54 -1500,-19.51 v1(-1448.48,-71.04) -1394.51,-125 -1150,-125 -1125,-150 -1075,-150 -1033.74,-191.26 -958.74,-191.26 -875,-275 -536.63,-275 -527.6,-265.97 -527.6,-253.27 -524.33,-250 U13.16@-511.63,-250
  SIGNAL2 w14.28: v1(-1560.26,-395.76) -1560.26,-253.85 -1447.19,-140.79 -1447.19,-72.32 v1(-1448.48,-71.04)
SCLK_2_R: R17.2 U7.19 | length 101.7
  SIGNAL1 w14.28: R17.2@-1300,116.34 -1292.13,116.34 -1263.27,145.2 -1254.25,145.2 -1233.27,166.18 U7.19@-1233.27,180.47
SEL1: J3.4 R23.2 | length 1858
  SIGNAL1 w15.88: v1(-860.34,-146.3) -860.34,-143.83 -851.6,-135.08 -851.6,-96.95 -737.79,16.85 R23.2@-737.79,266.53
  SIGNAL2 w15.88: J3.4@-1200,-1400 -1150.44,-1350.44 -1150.44,-453.64 -861.52,-164.72 -861.52,-147.47 v1(-860.34,-146.3)
SEL1_R: R23.1 U7.34 | length 75
  SIGNAL1 w15.88: U7.34@-878.29,296.85 -850.79,296.85 -838.12,284.18 -830.25,284.18 -820.47,274.4 R23.1@-820.47,266.53
SEL2: R16.1 U13.4 | length 1351.9
  SIGNAL1 w14.28: R16.1@-1375,33.66 -1367.13,33.66 -1279.07,-54.39 -1149.97,-54.39 v1(-1098.36,-106) ; v1(-225,-75) -178.47,-75 -153.47,-100 U13.4@-138.37,-100
  SIGNAL2 w14.28: v1(-1098.36,-106) -1026.01,-33.66 -266.34,-33.66 v1(-225,-75)
SEL2_R: R16.2 U7.18 | length 153.6
  SIGNAL1 w14.28: R16.2@-1375,116.34 -1367.13,116.34 -1319.48,163.98 -1261.32,163.98 -1252.95,172.35 U7.18@-1252.95,180.68
SEL3: R19.2 U11.1 U12.6 | length 1754.8
  SIGNAL1 w14.28: v1(-1818.37,-210.5) -1818.37,-207.6 -1813.3,-202.53 -1813.3,-148.15 U11.1@-1812.4,-147.24 ; v1@-1814.2,-206.93 -1760.19,-206.93 -1724.21,-242.91 U12.6@-1724.21,-255.51 ; v1(-1077.19,895.99) -1032.08,895.99 -1018.45,882.37 -1018.45,826.91 -1007.87,816.34 R19.2@-1000,816.34
  SIGNAL2 w14.28: v1(-1818.37,-210.5) -1818.37,-207.6 -1837.01,-188.96 -1837.01,-20.64 -1757.36,59.01 -1757.36,122.48 -1714.22,165.62 -1714.22,258.96 v1(-1077.19,895.99)
SWD_CLK: P4.4 R13.2 U7.49 | length 586.5
  SIGNAL1 w15.88: U7.49@-975.21,651.38 -932.09,651.38 -716.34,867.13 R13.2@-716.34,875 -716.34,882.87 -845.88,1012.42 -845.88,1045.88 P4.4@-850,1050
SWD_DIO: P4.2 R12.1 U7.50 | length 681.2
  SIGNAL1 w15.88: U7.50@-997.05,635.82 -997.05,624.68 -977.56,605.19 -925.96,605.19 -686.68,844.46 -686.68,915.8 -718.75,947.87 R12.1@-718.75,955.75 -718.75,963.62 -800,1044.87 P4.2@-800,1050
SWO: P4.6 U7.56 | length 548.1
  SIGNAL1 w15.88: U7.56@-1115.16,671.67 -1115.16,927.68 v1(-1073.11,969.73)
  SIGNAL2 w15.88: v1(-1073.11,969.73) -935.36,969.73 -900,1005.09 P4.6@-900,1050
TDI: P4.8 R19.1 U7.51 | length 483.4
  SIGNAL1 w15.88: U7.51@-1016.73,671.23 -1016.73,723.88 -1015.62,725 R19.1@-1000,725 ; R19.1@-1000,733.66 R19.1@-1000,725 ; P4.8@-950,1050 -925,1025 -925,734.3 -934.3,725 R19.1@-1000,725
UART_RX: P3.1 U7.8 | length 485.4
  SIGNAL1 w15.88: P3.1@-1800,300 -1795.77,300 -1772.92,322.85 -1500.62,322.85 -1388.63,434.84 U7.8@-1370.48,434.84
UART_TX: P3.2 U7.9 | length 518
  SIGNAL1 w15.88: P3.2@-1800,200 -1700,300 -1493.23,300 -1414.82,378.42 -1414.82,378.65 -1378.5,414.96 U7.9@-1371.22,414.96
ZAPAS_1: J2.5 U7.55 | length 1080.1
  SIGNAL1 w10: U7.55@-1095.47,651.38 -1095.47,823.57 v1(-1065.51,853.53)
  SIGNAL2 w10: v1(-1065.51,853.53) -886.81,853.53 -878.96,845.68 -704.32,845.68 J2.5@-350,1200
ZAPAS_2: J2.4 U7.57 | length 1221.1
  SIGNAL1 w10: v1(-1150,725) -1134.84,709.84 U7.57@-1134.84,651.38
  SIGNAL2 w10: v1(-1150,725) -1150,769.04 -1100.73,818.31 -599.87,818.31 -427.33,990.85 -427.33,1022.67 J2.4@-250,1200
ZAPAS_3: J2.3 U7.59 | length 1530.1
  SIGNAL1 w10: U7.59@-1174.21,651.38 -1174.21,850.7 -1159.9,865.01 v1(-1159.9,894.18)
  SIGNAL2 w10: v1(-1159.9,894.18) -1119.24,934.85 -658.72,934.85 -508.86,1084.71 -508.86,1250 -500.98,1257.88 -207.88,1257.88 J2.3@-150,1200
pads on no net: P4.7 P4.9 U1.1 U4.6 U4.8 U4.13 U7.2 U7.3 U7.4 U7.12 U7.13 U7.14 U7.22 U7.23 U7.24 U7.25 U7.26 U7.30 U7.33 U7.38 U7.39 U7.40 U7.41 U7.44 U7.45 U7.46 U7.52 U7.62 U12.2 U12.7 U12.8 U12.9 U12.10 U12.11 U12.12 U12.13 U12.14 U12.15 U12.16 U12.17 U12.18 U12.19 U12.20 U12.21 U12.22 U12.25 U12.27 U12.28 U12.29 U12.30 U12.32 U14.3 U14.5 U14.6 U14.7 U14.14 U14.15

## Polygon pours and split planes (outlines as drawn)
+3V3 on SIGNAL1 "+3V3_L01_P017" (solid, remove dead copper, pour order 17): -1968.5,1299.21 511.81,1299.21 511.81,-1535.43 -1968.5,-1535.43
GND on SIGNAL1 "GND_L01_P016" (solid, remove dead copper, pour order 16): -354.33,-748.03 -157.48,-748.03 -157.48,-1141.73 -275.59,-1141.73 -275.59,-944.88 -354.33,-944.88
GND on SIGNAL2 "GND_L02_P015" (solid, remove dead copper, pour order 15): -1968.5,1299.21 511.81,1299.21 511.81,-1535.43 477.18,-1535.43 -1968.5,-1535.43

## Other copper
SIGNAL2:
  pour cut-out: -1900,950 -1525,950 -1525,675 -1550,675 -1550,925 -1900,925
  pour cut-out: -1550,575 -1525,575 -1525,400 -1925,400 -1925,950 -1900,950 -1900,425 -1550,425

## Silkscreen, mask and mechanical layers (free items; w line width, h text height)
Bottom Overlay:
  drawing of 131 lines, arcs and shapes, not listed
  text "GND" at -465,1035 h35 r270
  text "+3V3" at -65,985 h35 r270
  text "+12V_PROT" at 28.82,847.99 h35 r270
  text "I2C_HREQ" at 279.53,706.15 h35
  text "I2C_SCL" at 280.98,606.72 h35
  text "I2C_SDA" at 280.26,515.93 h35
  text "RX" at -1660.46,285.05 h35
  text "TX" at -1660.46,183.47 h35
  text "GND" at -410,-1365 h35
  text "+12V" at 115,-1365 h35

## Text inside footprints (layer, text, board x,y; h text height)
U3: Top Overlay "*" at -1398.46,-883.84 h35 r270; Top 3D Body "*" at -1431,-974 h35 r270
U4: Top Overlay "*" at -1369.37,-570.43 h35 r270; Top 3D Body "*" at -1432.5,-650.5 h35 r270